# Altium PCB PCB1.PcbDoc
Units mil, origin at the board's own origin, x right, y up, seen from the top; angles counter-clockwise.
Board outline 5010 x 3415 mil, 2 copper layers (Top Layer, Bottom Layer); 68 components, 38 nets, 232 pads, 69 vias.
Unrouted connection lines stored in the file: 2.
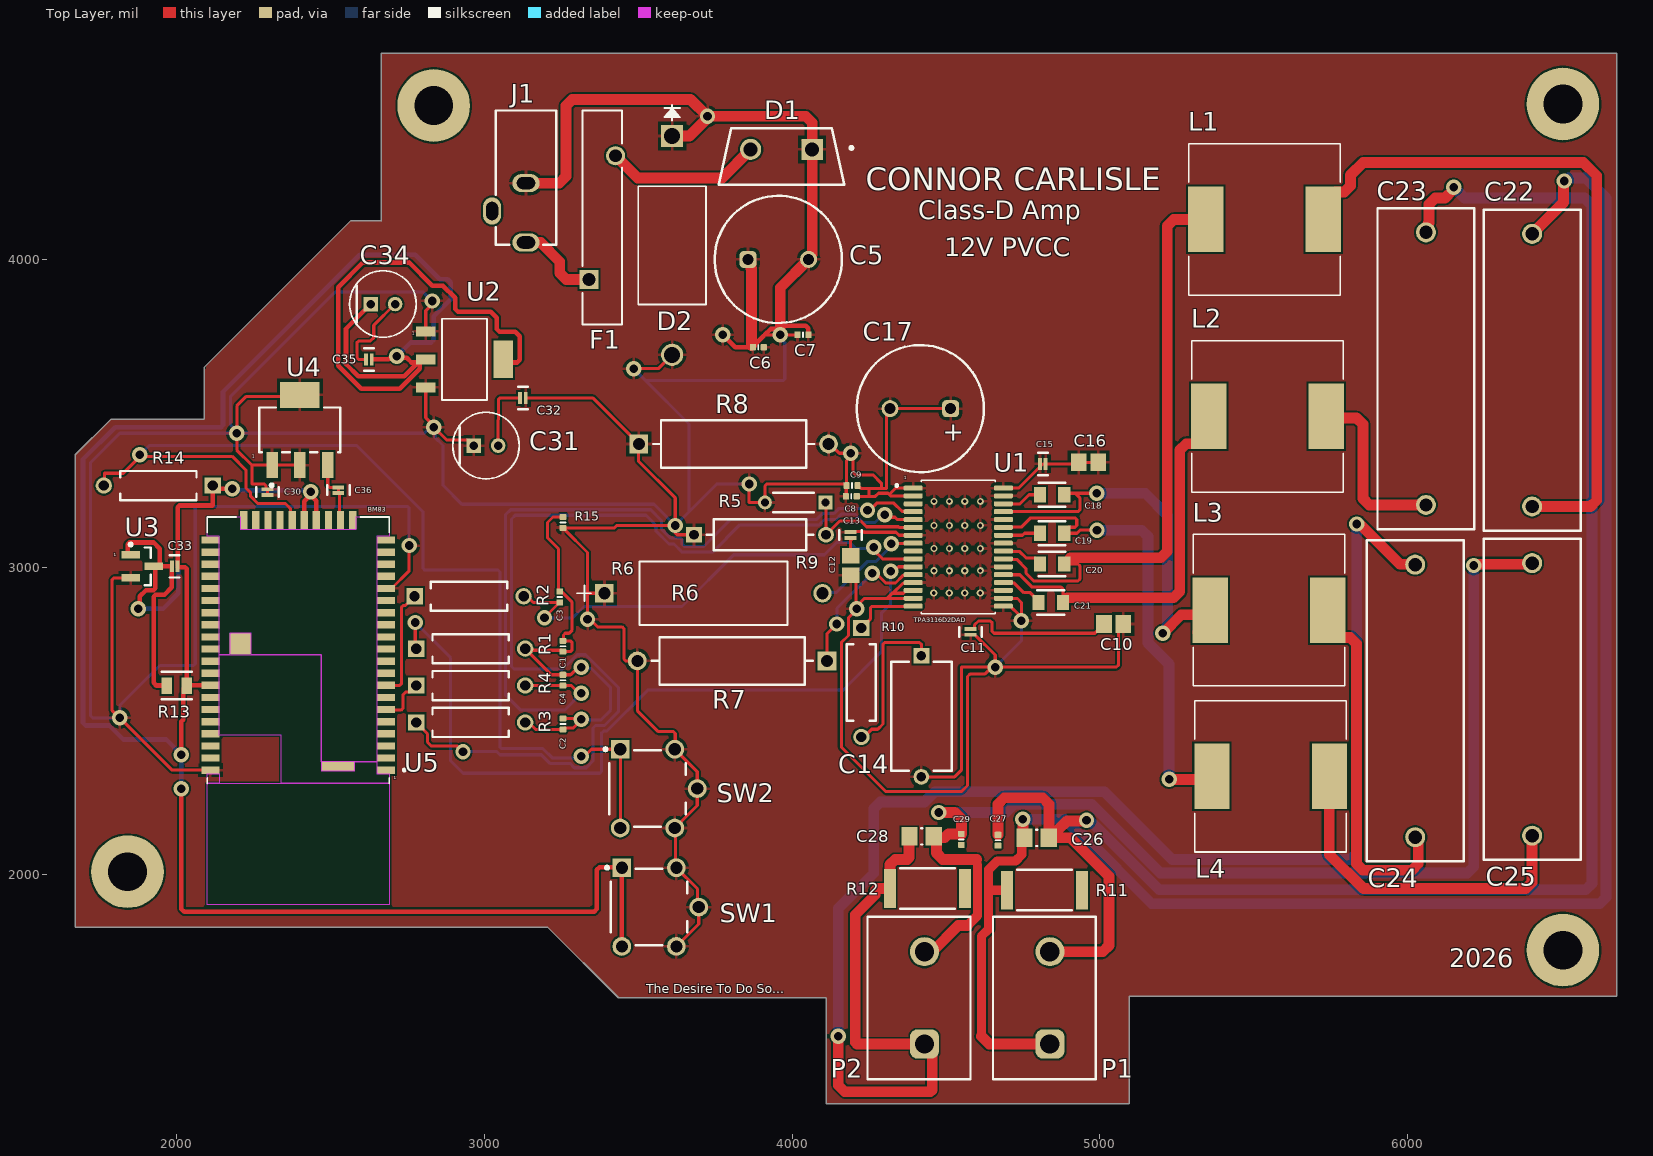
[diagram p0: Top Layer view]
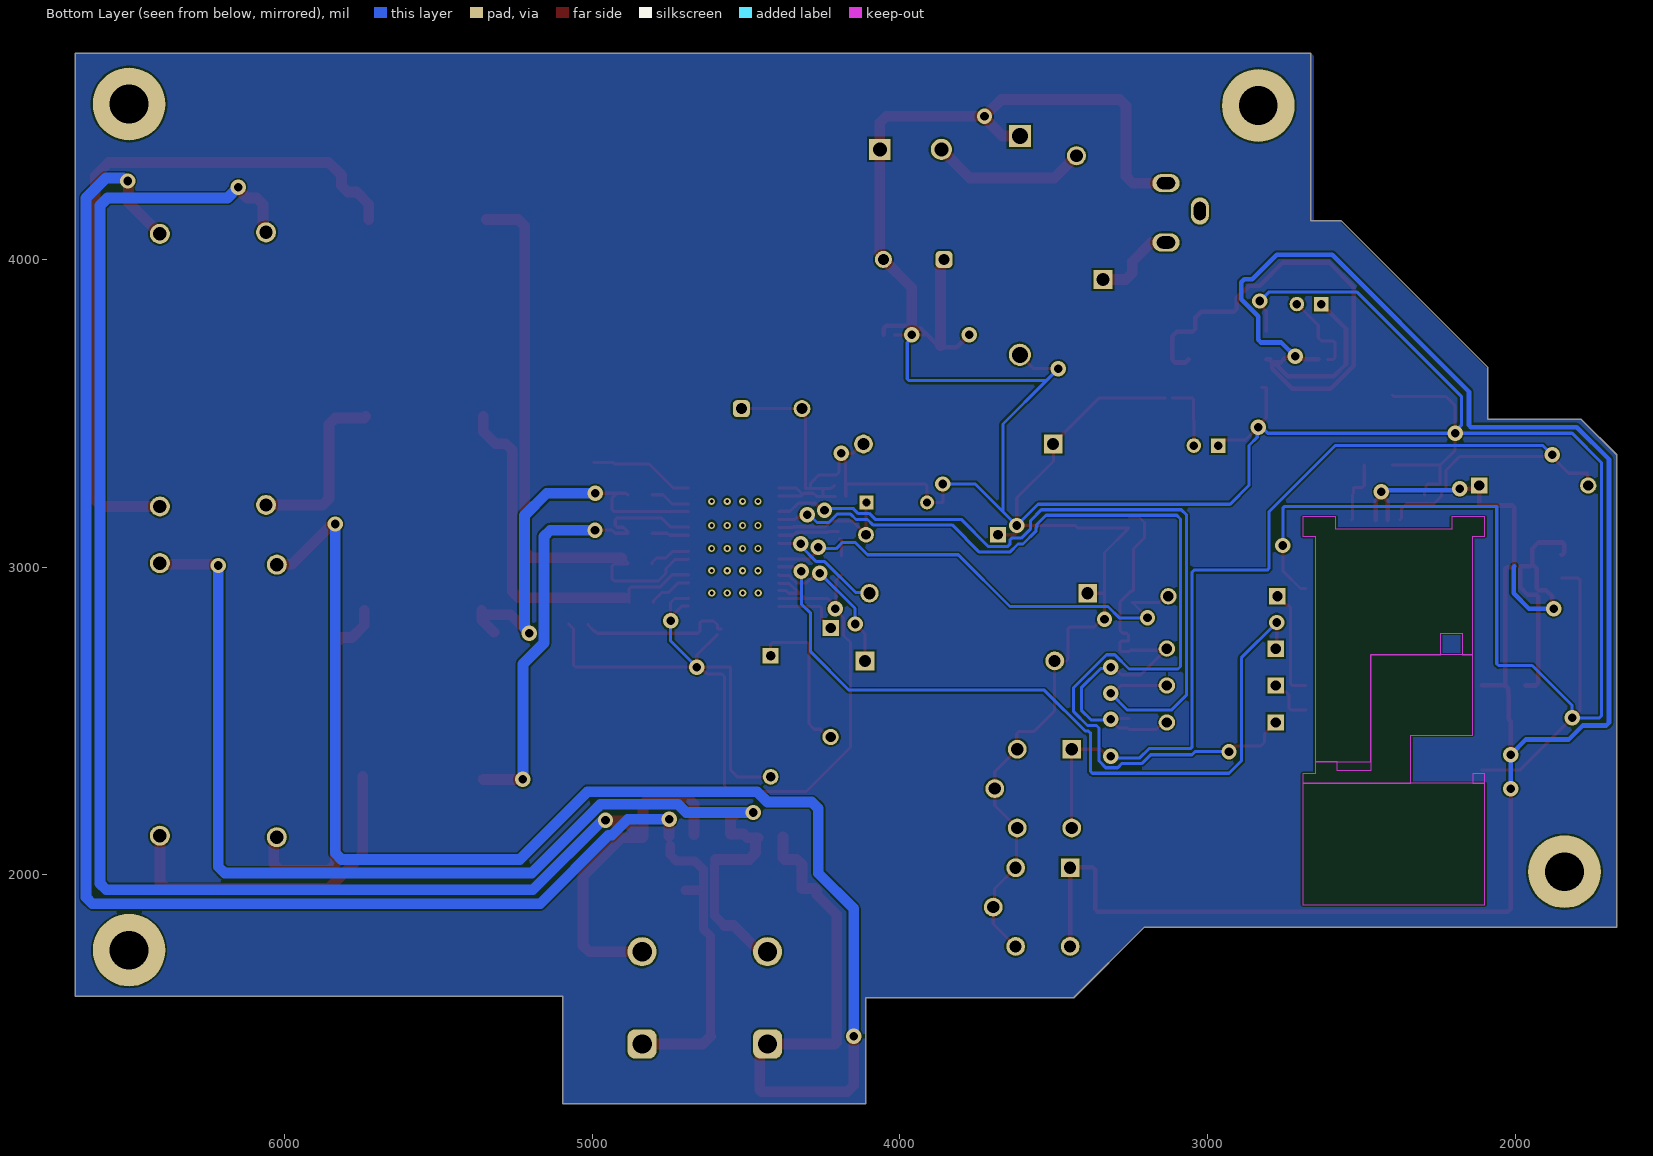
[diagram p1: Bottom Layer view, seen from below]
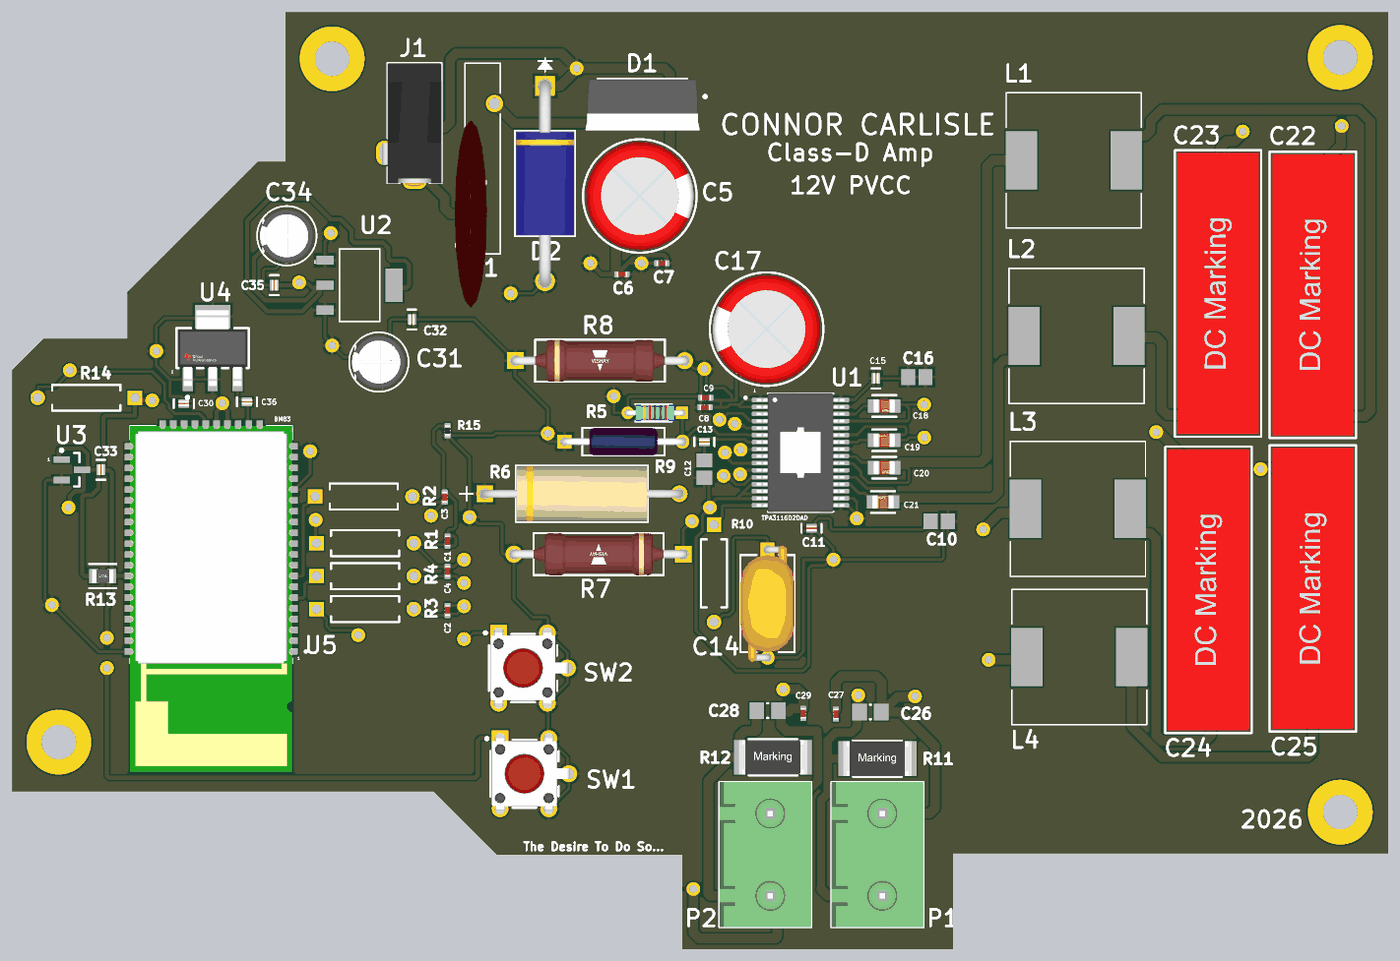
[diagram p2: 3D render of the assembled board from above, using the file's embedded part models]

## Layer stack, top to bottom
Top Solder: solder mask 0.4, Solder Resist, Dk 3.5
Top Layer: signal copper 1.4
Dielectric 1: dielectric 12.6, FR-4, Dk 4.8
Bottom Layer: signal copper 1.4
Bottom Solder: solder mask 0.4, Solder Resist, Dk 3.5

## Board outline
1670,1830 1670,3365 1785,3480 2090,3480 2090,3650 2565,4125 2665,4125 2665,4670 2750,4670 5675,4670 6680,4670 6680,1605 5095,1605 5095,1255 4110,1255 4110,1600 3435,1600 3205,1830

## Design rules (kind name [scope] priority, off if disabled: settings)
Clearance [All] p1: gap=5.91 ignorepadtopadclearanceinfootprint=FALSE
Height [All] p1: minheight=0 maxheight=1377.95 prefheight=500
PolygonConnect [All] p1: connectstyle=Relief reliefconductorwidth=10 reliefentries=4 polygonreliefangle="90 Angle" airgapwidth=10
RoutingVias [All] p1: holewidth=28 width=50 viastyle="Through Hole" minholewidth=7.48 minwidth=15.35 maxholewidth=28 maxwidth=50
SolderMaskExpansion [All] p1: expansion=0 istentingtop=FALSE
SupplyNets "Schematic Supply Nets_2" [InNet('GND')] p1: voltage=0.000
SupplyNets "Schematic Supply Nets_1" [InNet('3v3')] p2: voltage=0.000
SupplyNets "Schematic Supply Nets" [InNet('SGND')] p3: voltage=0.000
Width Width_1 [All] p1: maxlimit=10 minlimit=10 preferedwidth=10
29 further rules are at their usual default settings.

## Classes and differential pairs
component class U_Bluetooth: C30 C31 C32 C33 C34 C35 C36 R13 R14 SW1 SW2 U2 U3 U4 U5
component class U_Amp2: 32 C1 C2 C3 C4 C5 C6 C7 C8 C9 C10 C11 C12 C13 C14 C15 C16 C17 C18 C20 C21 C22 C23 C24 C25 C26 C27 C28 C29 D1 D2 F1 J1 L1 L2 L3 L4 P1 P2 R1 R2 R3 R4 R5 R6 R7 R8 R9 R10 R11 R12 R15 U1

## Components (designator, comment, footprint, x,y, rotation, side; value= is the part's Value field where it differs from the comment)
C1 "Capacitor 470pF +/-20% 50V 0402" CAPC0402(1005)60_L 3255,2742.72 r90 top value=470pF
C2 "Capacitor 470pF +/-20% 50V 0402" CAPC0402(1005)60_L 3255,2490 r90 top value=470pF
C3 "Capacitor 470pF +/-20% 50V 0402" CAPC0402(1005)60_L 3245,2902.72 r90 top value=470pF
C4 "Capacitor 470pF +/-20% 50V 0402" CAPC0402(1005)60_L 3255,2632.28 r90 top value=470pF
C5 "860010475017" WCAP-ATG8_D10H20 3955,4000 r180 top
C6 "Capacitor 1µF +/-20% 10V 0402" CAPC0402(1005)60_L 3890,3715 r0 top value=1µF
C7 "Capacitor 100nF +/-20% 25V 0402" CAPC0402(1005)60_L 4035,3755 r180 top value=100nF
C8 "Capacitor 1µF +/-20% 10V 0402" CAPC0402(1005)60_L 4192.28,3230 r0 top value=1µF
C9 "Capacitor 100nF +/-20% 25V 0402" CAPC0402(1005)60_L 4195,3265 r0 top value=100nF
C10 "0805YD105MAT2A" CAPC2013X140X50NL20T25 5045,2815 r0 top
C11 "JWK105BJ104MP-F" FP-0204-L_0_52_0_05-W_1_0-IPC_C 4580,2789.28 r270 top
C12 "0805YD105MAT2A" CAPC2013X140X50NL20T25 4190,3005 r270 top
C13 "JWK105BJ104MP-F" FP-0204-L_0_52_0_05-W_1_0-IPC_C 4190,3104.28 r90 top
C14 "VY1102M35Y5UQ6TV0" FP-VY1102M35Y5UQ6TV0-MFG 4420,2515 r270 top
C15 "JWK105BJ104MP-F" FP-0204-L_0_52_0_05-W_1_0-IPC_C 4814.76,3335.32 r0 top
C16 "0805YD105MAT2A" CAPC2013X140X50NL20T25 4963.27,3340.32 r0 top
C17 "860010475017" WCAP-ATG8_D10H20 4416.57,3515 r0 top
C18 "08051C224K4T2A" FP-0805-L_2_01_0_2-W_1_25-MFG 4845,3235 r0 top
C19 "08051C224K4T2A" FP-0805-L_2_01_0_2-W_1_25-MFG 4845,3110 r180 top
C20 "08051C224K4T2A" FP-0805-L_2_01_0_2-W_1_25-MFG 4845,3010 r0 top
C21 "08051C224K4T2A" FP-0805-L_2_01_0_2-W_1_25-MFG 4840.63,2885 r180 top
C22 "890334026020" WCAP-FTXX_L26W7.5H15 6405,3640 r90 top
C23 "890334026020" WCAP-FTXX_L26W7.5H15 6060,3645 r90 top
C24 "890334026020" WCAP-FTXX_L26W7.5H15 6025,2565 r90 top
C25 "890334026020" WCAP-FTXX_L26W7.5H15 6405,2570 r90 top
C26 "CAP 680nF 16V 0805(2012)" CAPC0805(2012)145_M 4794.69,2120 r0 top value=680nF
C27 "Capacitor 10nF +/-20% 50V 0402" CAPC0402(1005)60_L 4669.06,2112.28 r90 top value=10nF
C28 "CAP 680nF 16V 0805(2012)" CAPC0805(2012)145_M 4420.63,2125 r0 top value=680nF
C29 "Capacitor 10nF +/-20% 50V 0402" CAPC0402(1005)60_L 4550,2115 r90 top value=10nF
C30 "JWK105BJ104MP-F" FP-0204-L_0_52_0_05-W_1_0-IPC_C 2295,3243.55 r90 top
C31 "ECA1HHG100I" FP-RAD-TH-D_5_0_5-L_11_1-MFG 3005,3395 r0 top
C32 "JWK105BJ104MP-F" FP-0204-L_0_52_0_05-W_1_0-IPC_C 3125,3550 r0 top
C33 "JWK105BJ104MP-F" FP-0204-L_0_52_0_05-W_1_0-IPC_C 1993.16,3002.56 r0 top
C34 "ECA1HHG100I" FP-RAD-TH-D_5_0_5-L_11_1-MFG 2670,3855 r0 top
C35 "JWK105BJ104MP-F" FP-0204-L_0_52_0_05-W_1_0-IPC_C 2624.28,3675 r0 top
C36 "JWK105BJ104MP-F" FP-0204-L_0_52_0_05-W_1_0-IPC_C 2525,3250 r90 top
D1 "MBR760" FP-340BA-MFG 3965,4335 r270 top
D2 "1.5KE18AG" FUSE_1.5KE_LTF 3610,4401.02 r270 top
F1 "MF-R500" FUSE_MF-R500_BRN 3340,3935 r90 top
J1 "694103303002" 694103303002 3135,4265.63 r180 top
L1 "SRR1260-100M" INDP125125X600N 5535,4130 r0 top
L2 "SRR1260-100M" INDP125125X600N 5545,3490 r0 top
L3 "SRR1260-100M" INDP125125X600N 5550,2860 r0 top
L4 "SRR1260-100M" INDP125125X600N 5555,2320 r0 top
P1 "691311400002" 691311400002 4820,1600 r90 top
P2 "691311400002" 691311400002 4412.29,1600 r90 top
R1 "MFR-25FBF52-1K" RESA60-630X240 2955,2735 r0 top value=1k
R2 "MFR-25FBF52-1K" RESA60-630X240 2950,2905 r0 top value=1k
R3 "MFR-25FBF52-1K" RESA60-630X240 2955,2495 r0 top value=1k
R4 "MFR-25FBF52-1K" RESA60-630X240 2955,2615 r0 top value=1k
R5 "MRS16000C2002FCT00" FP-MRS1600-MFG 4010,3210 r180 top
R6 "6-1625890-6" RES_6-1625890-6_TEC 3390,2915 r0 top
R7 "PR02000201003JA100" FP-PR02000201003JA100-MFG 3805,2695 r180 top
R8 "PR02000201003JA100" FP-PR02000201003JA100-MFG 3810,3400 r0 top
R9 "PTF56250K00FZEB" FP-PTF56-MFG 3895.43,3105 r0 top
R10 "MFR-25FBF52-10K" RESA60-630X240 4225,2625 r270 top value=10k
R11 "560050363012" WRIS-KSKE_2512 4820,1950 r0 top
R12 "560050363012" WRIS-KSKE_2512 4440,1955 r0 top
R13 "RN73R2ATTD4701B25" FP-RN73R2A-IPC_C 2000,2615 r0 top
R14 "MFR-25FBF52-10K" RESA60-630X240 1940,3265 r180 top value=10k
R15 "0R2J" RESC0402(1005)_L 3255,3145 r90 top value=0
SW1 "EVQ-PBG04M" FP-EVQ-PBG04M-MFG 3535,1895 r0 top
SW2 "EVQ-PBG04M" FP-EVQ-PBG04M-MFG 3530,2280 r0 top
U1 "TPA3116D2DAD" SOP65P810X115-32N 4540,3065 r0 top
U2 "LM1117-3.3" SOT230 2935,3675 r0 top
U3 "MCP111T-270E/TT" SOT-23-TT3_N 1887.44,3002.56 r0 top
U4 "LM7805MPX/NOPB" FP-LM7805MPX-NOPB-MFG 2400,3445.83 r90 top
U5 "BM83SM1-00AA" XCVR_BM83SM1-00AA 2394.57,2532.91 r180 top

## Footprints (in the part's own frame and the unit in brackets; to place one, negate y for a bottom-side part, rotate by r counter-clockwise, add the part's x,y. Pads: shape width x height; smd on the part's side, far side on the other; paste and mask are expansions set on the pad)
691311400002 [mm] "7.62 mm - Open Vertical PCB Header - 2p"
  rrect50% 2.4x2.4 hole 1.6: 1(-3.81,-0.45)
  round 2.4 hole 1.6: 2(3.81,-0.45)
  silkscreen extent -6.71,-4.25 6.71,4.25, body extent -6.71,-4.25 6.71,4.25, height 12.05
694103303002 [mm] "DC Power Jack Right Angled(4.2)"
  oval 2.25x1.5 hole 1 slot 1.5 at 0 deg: 1(0,5.35) 2(0,0.45)
  oval 1.5x2.25 hole 1 slot 1.5 at 90 deg: 3(2.8,2.75)
  silkscreen extent -2.5,-5.55 2.5,5.55, body extent -2.5,-5.55 3,5.75, height 7.8
CAPC0402(1005)60_L [mm] "Chip Capacitor, Body 1.0x0.5mm, Height 0.6mm, IPC High Density"
  rrect25% 0.5x0.55 smd: 1(-0.45,0) 2(0.45,0)
  silkscreen extent 0,-0.2 0,0.2, body extent -0.5,-0.25 0.5,0.25, height 0.6
CAPC0805(2012)145_M [mm] "Chip Capacitor, Body 2.0x1.2mm, Height 1.45mm, IPC Low Density"
  rect 1.35x1.55 smd: 1(-1,0) 2(1,0)
  silkscreen extent -0.05,-0.67 0.05,0.67, body extent -1.1,-0.72 1.1,0.72, height 1.45
CAPC2013X140X50NL20T25 [mm] "Chip Capacitor, 2-Leads, Body 2.00x1.25mm, IPC Medium Density"
  rect 1.3x1.45 smd: 1(-0.8,0) 2(0.8,0)
  body extent -1.1,-0.72 1.1,0.72, height 1.4
FP-0204-L_0_52_0_05-W_1_0-IPC_C [mil]
  rect 12.65x38.29 smd paste+0 mask+0: 1(-9.28,0) 2(9.28,0)
  silkscreen extent -16,-36 16,36, body extent -20,-25 20,25, height 10
FP-340BA-MFG [mm]
  rect 1.75x1.75 hole 1.15 paste-2539.97 mask+0: 1(-0.573,2.54)
  round 1.75 hole 1.15 paste-2539.97 mask+0: 2(-0.573,-2.54)
  silkscreen extent -2.34,-5.18 2.34,5.91, body extent -2.44,-5.28 2.44,5.28, height 0.25
FP-0805-L_2_01_0_2-W_1_25-MFG [mm]
  rect 1x1.25 smd paste+0 mask+0: 1(-1,0) 2(1,0)
  silkscreen extent -1.1,-1 1.1,1, body extent -1.6,-0.82 1.6,0.82, height 0.25
FP-EVQ-PBG04M-MFG [mm]
  round 1.55 hole 1 paste-2539.97 mask+0: 1(4.1,0) A'(-2.25,-3.25) B(2.25,3.25) B'(2.25,-3.25)
  rect 1.55x1.55 hole 1 paste-2539.97 mask+0: A(-2.25,3.25)
  silkscreen extent -3.6,-3.15 3.15,3.37, body extent -3.25,-4.13 4.97,4.13, height 0.25
FP-LM7805MPX-NOPB-MFG [mm]
  rect 2.15x0.95 smd paste+0 mask+0: 1(-2.9,2.3) 2(-2.9,0) 3(-2.9,-2.3)
  rect 2.15x3.25 smd paste+0 mask+0: 4(2.9,0)
  silkscreen extent -4.7,-3.35 1.85,3.35, body extent -4.08,-3.45 4.08,3.45, height 0.25
FP-MRS1600-MFG [mm]
  rect 1.15x1.15 hole 0.65 paste-2539.97 mask+0: 1(-2.5,0)
  round 1.15 hole 0.65 paste-2539.97 mask+0: 2(2.5,0)
  silkscreen extent -1.55,-0.8 1.8,0.8, body extent -3.17,-0.9 3.17,0.9, height 0.25
FP-PR02000201003JA100-MFG [mm]
  rect 1.55x1.55 hole 1 paste-2539.97 mask+0: 1(-7.83,0)
  round 1.55 hole 1 paste-2539.97 mask+0: 2(7.83,0)
  silkscreen extent -6.66,-1.95 6.66,1.95, body extent -8.7,-2.05 8.7,2.05, height 0.25
FP-PTF56-MFG [mm]
  rect 1.3x1.3 hole 0.8 paste-2539.97 mask+0: 1(-5.45,0)
  round 1.3 hole 0.8 paste-2539.97 mask+0: 2(5.45,0)
  silkscreen extent -4.4,-1.27 4.4,1.27, body extent -6.2,-1.37 6.2,1.37, height 0.25
FP-RAD-TH-D_5_0_5-L_11_1-MFG [mm]
  rect 1.2x1.2 hole 0.7 paste-2539.97 mask+0: 1(-1,0)
  round 1.2 hole 0.7 paste-2539.97 mask+0: 2(1,0)
  silkscreen extent -2.75,-2.75 2.75,2.75, body extent -2.85,-2.85 2.85,2.85, height 0.25
FP-RN73R2A-IPC_C [mil]
  rect 33.67x53.39 smd paste+0 mask+0: 1(-32.5,0) 2(32.5,0)
  silkscreen extent -49,-44 49,44, body extent -53,-32 53,32, height 10
FP-VY1102M35Y5UQ6TV0-MFG [mm]
  rect 1.3x1.3 hole 0.8 paste-2539.97 mask+0: 1(-5,0)
  round 1.3 hole 0.8 paste-2539.97 mask+0: 2(5,0)
  silkscreen extent -4.5,-2.5 4.5,2.5, body extent -5.75,-2.6 5.75,2.6, height 0.25
FUSE_1.5KE_LTF [mil]
  rect 72x72 / inner round 60 / far side rect 72x72 hole 52 paste-99999 mask+0: 1(0,0)
  round 72 / inner round 60 / far side round 72 hole 52 paste-99999 mask+0: 2(711.02,0)
  silkscreen extent -101,-110 548,110, body extent -21,-105 732,105, height 210
FUSE_MF-R500_BRN [mil]
  rect 62x62 / inner round 60 / far side rect 62x62 hole 42 paste-99999 mask+0: 1(0,0)
  round 62 / inner round 60 / far side round 62 hole 42 paste-99999 mask+0: 2(402,-86)
  silkscreen extent -146,-107 548,21, body extent -343,-59 343,59, height 1275
INDP125125X600N [mm]
  rect 2.9x5.4 smd: 1(-4.85,0) 2(4.85,0)
  silkscreen extent -6.25,-6.25 6.25,6.25
RES_6-1625890-6_TEC [mil]
  rect 60x60 hole 40 paste-99999 mask+0: 1(0,0)
  round 60 hole 40 paste-99999 mask+0: 2(708.66,0)
  silkscreen extent -90,-104 595,104, body extent -15,-99 724,99, height 197
RESA60-630X240 [mm] "Axial Resistor, 2-Leads, Dia 2.4mm, Body Length 6.3mm"
  rect 1.35x1.35 hole 0.85: 1(-4.5,0)
  round 1.35 hole 0.85: 2(4.5,0)
  silkscreen extent -3.15,-1.2 3.15,1.2, body extent -4.77,-1.19 4.77,1.2, height 2.4
RESC0402(1005)_L [mm] "Chip Resistor, Body 1.0x0.5mm, IPC High Density"
  rrect25% 0.5x0.55 smd: 1(-0.45,0) 2(0.45,0)
  silkscreen extent 0,-0.2 0,0.2, body extent -0.5,-0.25 0.5,0.25, height 0.3
SOP65P810X115-32N [mm]
  rrect50% 1.57x0.41 smd: 1(-3.72,4.875) 2(-3.72,4.225) 3(-3.72,3.575) 4(-3.72,2.925) 5(-3.72,2.275) 6(-3.72,1.625) 7(-3.72,0.975) 8(-3.72,0.325) 9(-3.72,-0.325) 10(-3.72,-0.975) 11(-3.72,-1.625) 12(-3.72,-2.275) 13(-3.72,-2.925) 14(-3.72,-3.575) 15(-3.72,-4.225) 16(-3.72,-4.875) 17(3.72,-4.875) 18(3.72,-4.225) 19(3.72,-3.575) 20(3.72,-2.925) 21(3.72,-2.275) 22(3.72,-1.625) 23(3.72,-0.975) 24(3.72,-0.325) 25(3.72,0.325) 26(3.72,0.975) 27(3.72,1.625) 28(3.72,2.275) 29(3.72,2.925) 30(3.72,3.575) 31(3.72,4.225) 32(3.72,4.875)
  silkscreen extent -5.18,-5.5 3.05,5.5, body extent -4.05,-5.5 4.05,5.5, height 1.2
SOT230 [mil]
  rect 63x33 smd: 1(-126,91) 2(-126,0) 3(-126,-91)
  rect 63x122 smd: 4(126,0)
  silkscreen extent -73,-132 73,132
SOT-23-TT3_N [mm] "SOT23, 3-Leads, Body 2.9x1.3mm, Pitch 0.95mm, Lead Span 2.4mm, IPC Medium Density"
  rect 1.5x0.6 smd: 1(-0.95,0.95) 2(-0.95,-0.95) 3(0.95,0)
  silkscreen extent -1.07,-1.55 0.7,1.92, body extent -0.7,-1.52 0.7,1.53, height 1.12
WCAP-ATG8_D10H20 [mm] "Aluminum Electrolytic Capacitors, 10x20mm"
  rrect50% 1.4x1.4 hole 0.9: 1(2.5,0)
  round 1.4 hole 0.9: 2(-2.5,0)
  silkscreen extent -5.25,-5.25 5.25,5.25, body extent -4.99,-5 5,5, height 20.31
WCAP-FTXX_L26W7.5H15 [mm] "Film Capacitors, 26x7.5x15mm"
  round 1.65 hole 1.1: 1(-11.25,0) 2(11.25,0)
  silkscreen extent -13.25,-4 13.25,4, body extent -13,-3.75 13,3.75, height 15.05
WRIS-KSKE_2512 [mm] "Thick Film Resistors, SMT, body size 6.3x3.2mm"
  rect 1x3.2 smd: 1(-3.1,0) 2(3.1,0)
  silkscreen extent -2.25,-1.68 2.25,1.68, body extent -3.15,-1.6 3.15,1.6, height 0.6
XCVR_BM83SM1-00AA [mm]
  rect 1.5x0.6 smd: 1(-7.25,4.9) 2(-7.25,3.9) 3(-7.25,2.9) 4(-7.25,1.9) 5(-7.25,0.9) 6(-7.25,-0.1) 7(-7.25,-1.1) 8(-7.25,-2.1) 9(-7.25,-3.1) 10(-7.25,-4.1) 11(-7.25,-5.1) 12(-7.25,-6.1) 13(-7.25,-7.1) 14(-7.25,-8.1) 15(-7.25,-9.1) 16(-7.25,-10.1) 17(-7.25,-11.1) 18(-7.25,-12.1) 19(-7.25,-13.1) 20(-7.25,-14.1) 31(7.25,-14.1) 32(7.25,-13.1) 33(7.25,-12.1) 34(7.25,-11.1) 35(7.25,-10.1) 36(7.25,-9.1) 37(7.25,-8.1) 38(7.25,-7.1) 39(7.25,-6.1) 40(7.25,-5.1) 41(7.25,-4.1) 42(7.25,-3.1) 43(7.25,-2.1) 44(7.25,-1.1) 45(7.25,-0.1) 46(7.25,0.9) 47(7.25,1.9) 48(7.25,2.9) 49(7.25,3.9) 50(7.25,4.9)
  rect 0.6x1.5 smd: 21(-4.5,-15.75) 22(-3.5,-15.75) 23(-2.5,-15.75) 24(-1.5,-15.75) 25(-0.5,-15.75) 26(0.5,-15.75) 27(1.5,-15.75) 28(2.5,-15.75) 29(3.5,-15.75) 30(4.5,-15.75)
  rect 1.78x1.78 smd: 56(4.77,-5.53)
  rect 2.79x0.76 smd: 57(-3.29,4.58)
  Keep-Out Layer region: 7.5,5.2 6.5,5.2 6.5,6 7.5,6
  Keep-Out Layer region: -1.895,-4.64 3.88,-4.64 3.88,-6.42 5.66,-6.42 5.66,-4.64 6.5,-4.64 6.5,-14.4 7.5,-14.4 7.5,-16 4.8,-16 4.8,-15 -4.8,-15 -4.8,-16 -7.5,-16 -7.5,-14.4 -6.5,-14.4 -6.5,4.2 -1.895,4.2
  Keep-Out Layer region: 1.4,2 6.5,2 6.5,-4.64 -1.895,-4.64 -1.895,4.96 -4.685,4.96 -4.685,4.2 -6.5,4.2 -6.5,5.2 -7.5,5.2 -7.5,6 1.4,6
  Keep-Out Layer region: -1.895,-4.64 3.88,-4.64 3.88,-6.42 5.66,-6.42 5.66,-4.64 6.5,-4.64 6.5,-14.4 7.5,-14.4 7.5,-16 4.8,-16 4.8,-15 -4.8,-15 -4.8,-16 -7.5,-16 -7.5,-14.4 -6.5,-14.4 -6.5,4.2 -1.895,4.2
  silkscreen extent -8.85,-16 7.5,6, body extent -7.5,-16 7.5,16, height 2.5
